# Altium PCB Smart-Telecontrol.PcbDoc
Units mil, origin at the board's own origin, x right, y up, seen from the top; angles counter-clockwise.
Board outline 3752.7 x 2810.03 mil, 2 copper layers (Top Layer, Bottom Layer); 92 components, 50 nets, 289 pads, 750 vias.
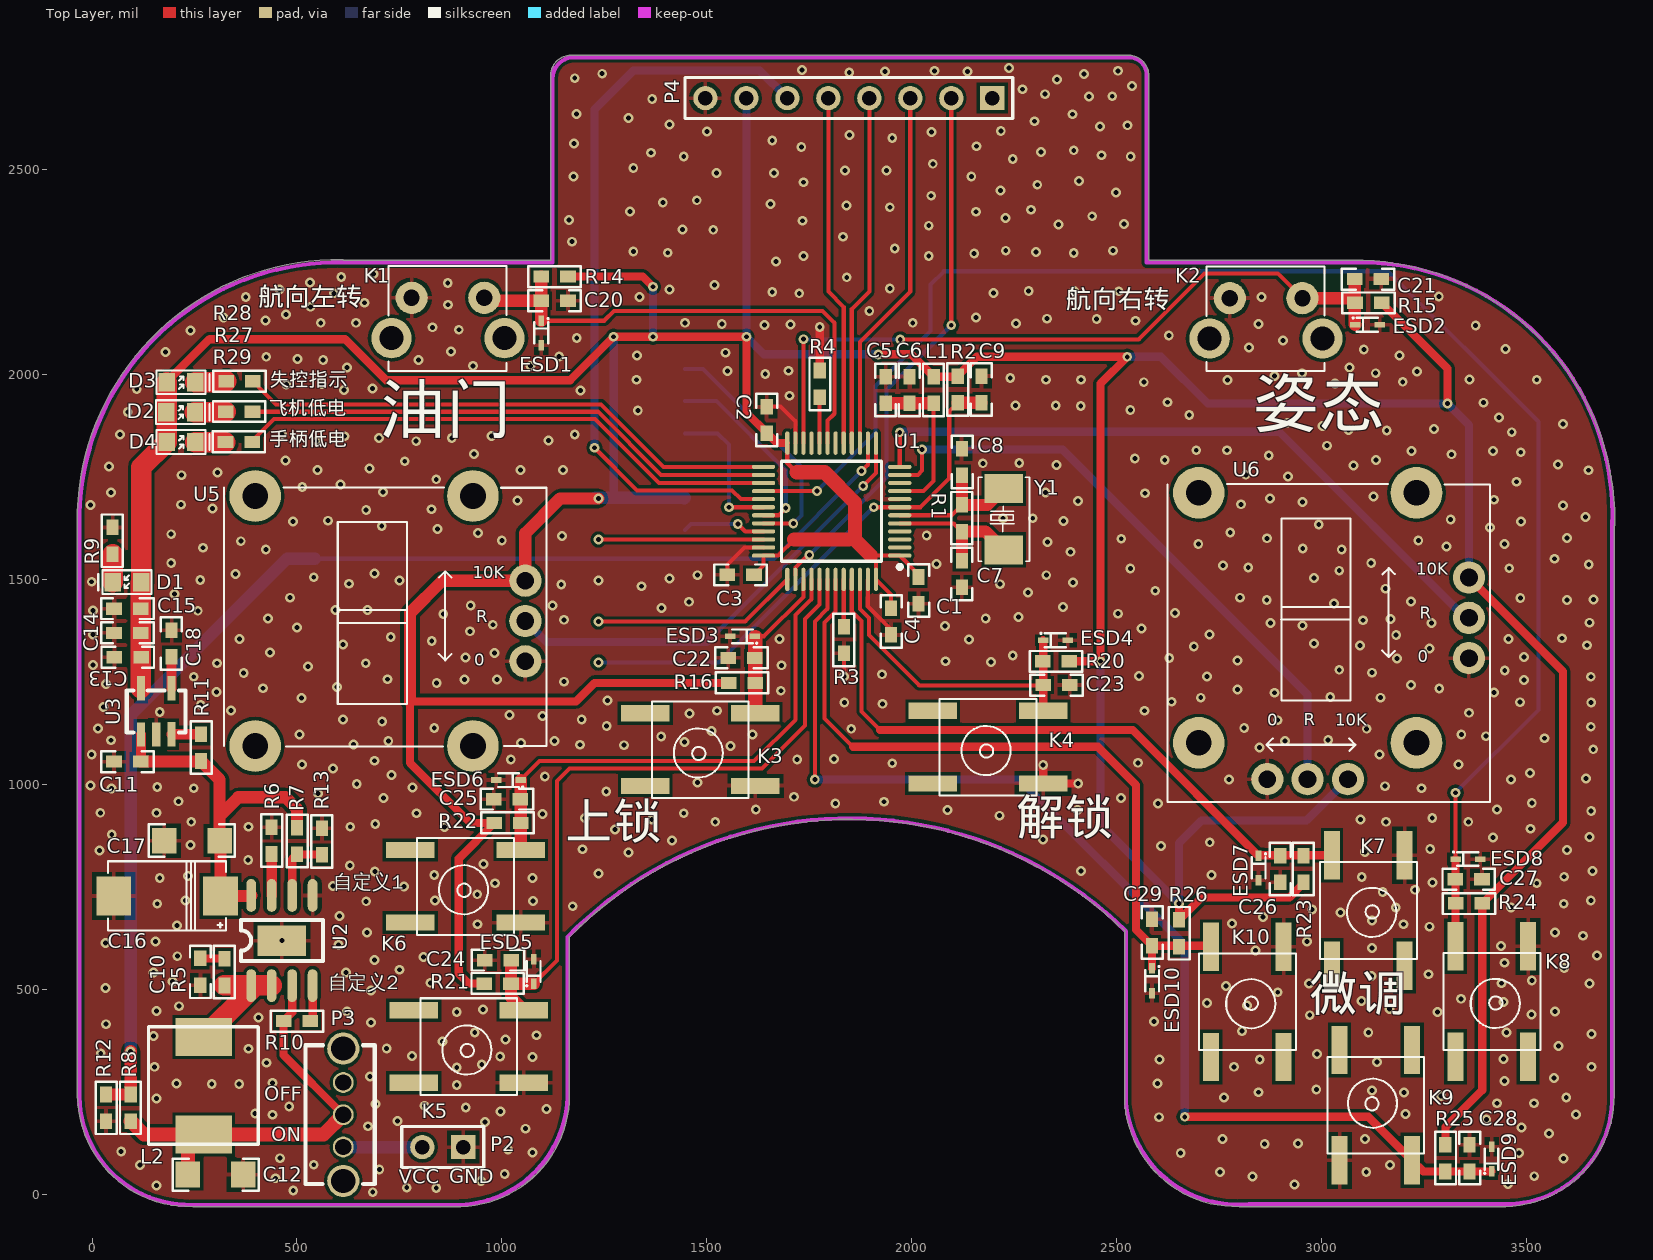
[diagram p0: Top Layer view]
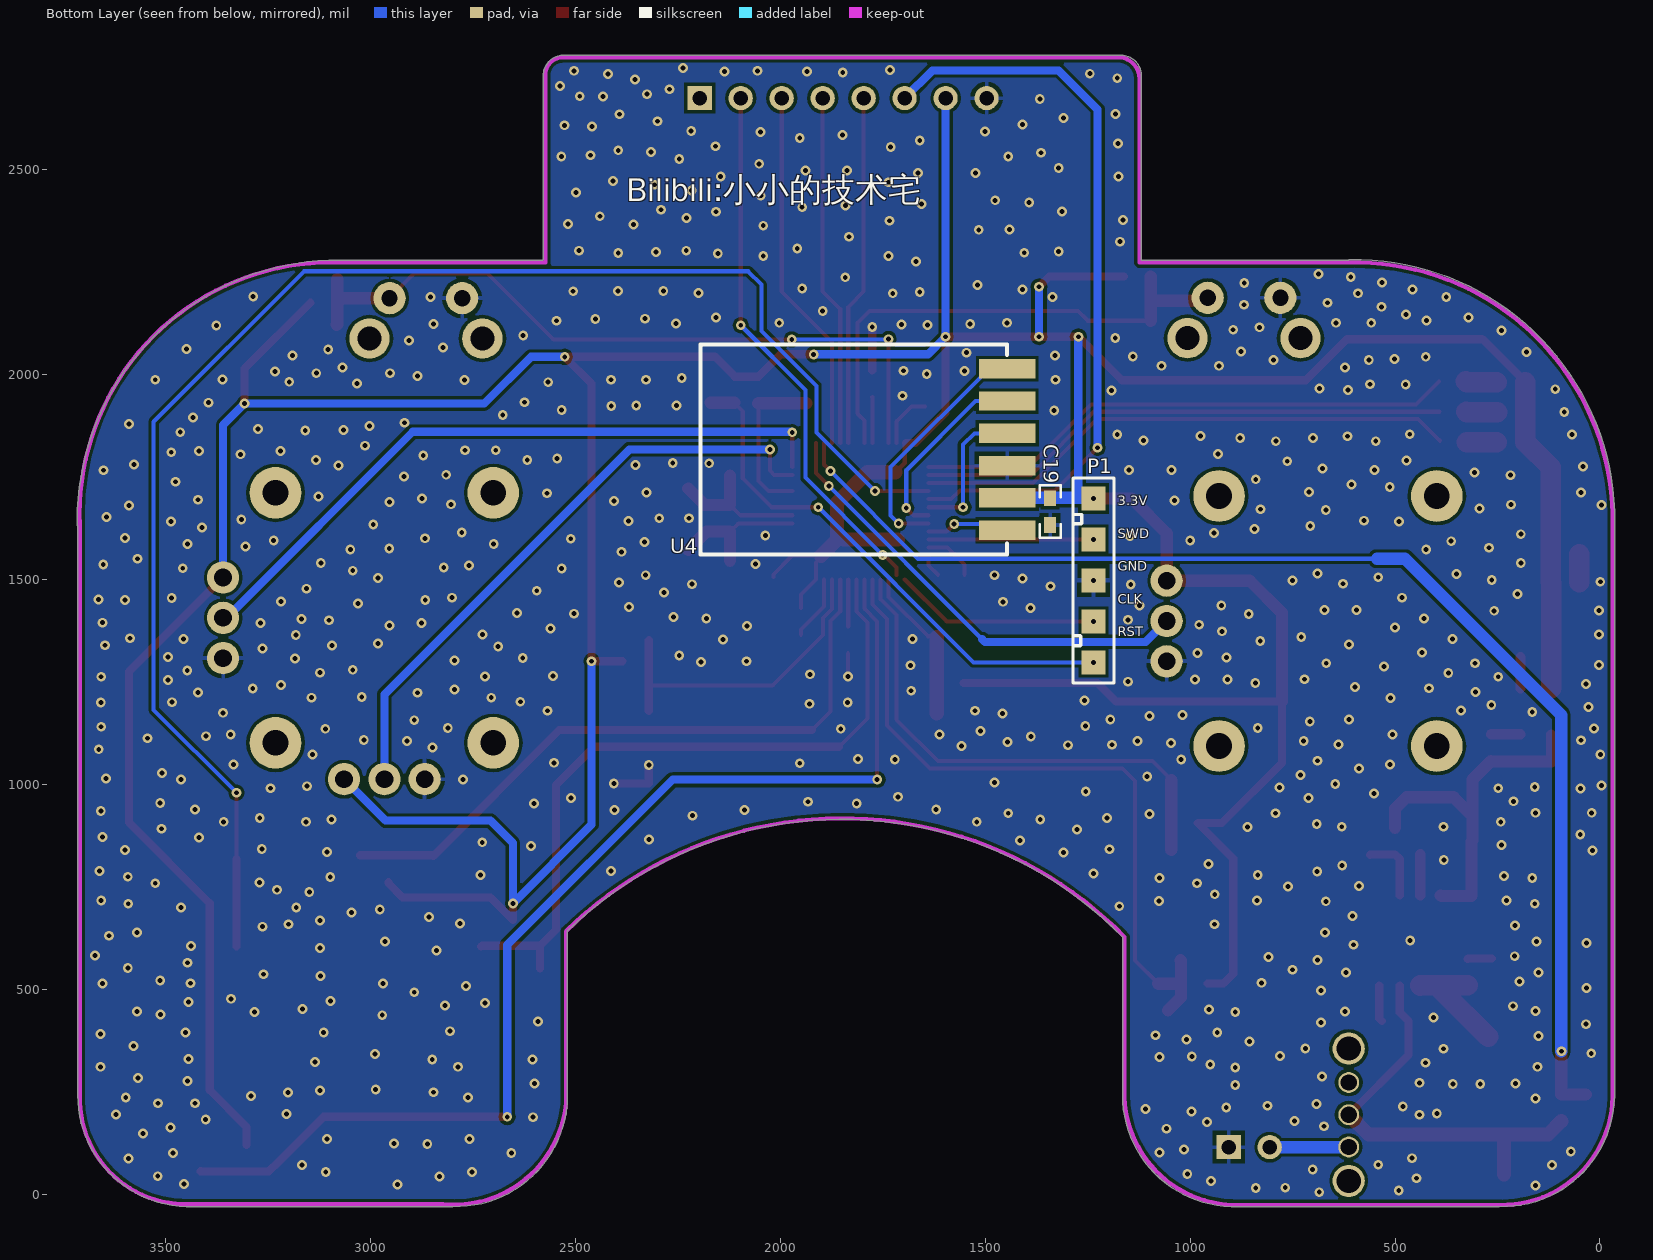
[diagram p1: Bottom Layer view, seen from below]

## Layer stack, top to bottom
Top Solder: solder mask 0.4, Solder Resist, Dk 3.5
Top Layer: signal copper 1.4
Dielectric 1: dielectric 12.6, FR-4, Dk 4.8
Bottom Layer: signal copper 1.4
Bottom Solder: solder mask 0.4, Solder Resist, Dk 3.5

## Board outline
245.07,-30.01 cw(c237.5,242.5) -34.95,232.87 cw(c-31.24,236.24) -36.26,236.24 -36.26,1639.97 cw(c600.08,1645.08) 610.1,2281.36 cw(c610.02,2276.34) 613.26,2280.17 1118.98,2280.17 1118.98,2733 cw(c1124,2733) 1119,2733.33 cw(c1169,2730) 1172.16,2780.02 2534,2780.02 cw(c2534,2775) 2535.91,2779.64 cw(c2529,2730) 2579.11,2730 cw(c2529,2730) 2579.02,2726.84 2579.02,2280.17 3100,2280.17 cw(c3100,2275.16) 3102.23,2279.65 cw(c3080.09,1643.68) 3716.45,1643.68 cw(c3080.09,1643.68) 3716.37,1633.66 cw(c3711.35,1633.74) 3715.01,1630.31 3715.01,250.07 cw(c3442.5,242.5) 3715.12,242.5 cw(c3442.5,242.5) 3450.14,-30.01 cw(c3450,-25) 3449.97,-30.01 2800.07,-30.01 cw(c2792.5,242.5) 2519.99,234.86 cw(c2525,235) 2519.98,235 2519.98,642.89 ccw(c1850,-45) 1165.01,627.95 1165.01,250.07 cw(c892.5,242.5) 1165.12,242.5 cw(c892.5,242.5) 900.14,-30.01 cw(c900,-25) 899.97,-30.01

## Design rules (kind name [scope] priority, off if disabled: settings)
Clearance PVCC [InNet('PVCC') vs InNet('GND-WAVE')] p1: gap=20
Clearance [All] p2: gap=8
MinimumSolderMaskSliver [All] p1: minsoldermaskwidth=0
PlaneClearance [All] p1: clearance=10
PolygonConnect Via [IsVia] p1: connectstyle=Direct reliefconductorwidth=10 reliefentries=4 polygonreliefangle="90 Angle" airgapwidth=10
PolygonConnect [All] p2: connectstyle=Relief reliefconductorwidth=10 reliefentries=4 polygonreliefangle="90 Angle" airgapwidth=10
RoutingVias [All] p1: holewidth=12 width=24 viastyle="Through Hole" minholewidth=12 minwidth=24 maxholewidth=12 maxwidth=24
ShortCircuit [All] p1: allowed=TRUE
SilkToSilkClearance [All] p1: silktosilkclearance=0
SilkToSolderMaskClearance [IsPad] p1: minsilkscreentomaskgap=0 clearancetoexposedcopper=TRUE
SolderMaskExpansion [All] p1: expansion=4
Width [All] p1: maxlimit=100 minlimit=9 preferedwidth=10
25 further rules are at their usual default settings.

## Classes and differential pairs
component class Module: C10 C11 C12 C13 C14 C15 C16 C17 C18 C19 C20 C21 C22 C23 C24 C25 C26 C27 C28 C29 D1 D2 D3 D4 ESD1 ESD2 ESD3 ESD4 ESD5 ESD6 ESD7 ESD8 ESD9 ESD10 K1 K2 K3 K4 K5 K6 K7 K8 K9 K10 L2 P2 P3 P4 R5 R6 R7 R8 R9 R10 R11 R12 R13 R14 R15 R16 R20 R21 R22 R23 R24 R25 R26 R27 R28 R29 U2 U3 U4 U5 U6
component class MCU: C1 C2 C3 C4 C5 C6 C7 C8 C9 L1 P1 R1 R2 R3 R4 U1 Y1

## Components (designator, comment, footprint, x,y, rotation, side; value= is the part's Value field where it differs from the comment)
C1 "0.1μF" 0603C 2017,1474 r90 top
C2 "0.1μF" 0603C 1647,1890 r270 top
C3 "0.1μF" 0603C 1583,1512 r0 top
C4 "0.1μF" 0603C 1950,1398 r90 top
C5 "10μF" 0603C 1937,1963 r270 top
C6 "0.1μF" 0603C 1995,1963 r270 top
C7 "20pF" 0603C 2123,1514 r270 top
C8 "20pF" 0603C 2123,1787 r90 top
C9 "0.1μF" 0603C 2171,1964 r270 top
C10 "2.2nF" 0603C 264,543 r90 top
C11 "1μF" 0603C 86,1056 r0 top
C12 "22μF" 1206C 368.65,48 r180 top
C13 "1μF" 0603C 87,1311 r0 top
C14 "10μF" 0603C 86,1370 r180 top
C15 "0.1μF" 0603C 86,1429 r180 top
C16 "100μF" D7343C 313.24,728 r180 top
C17 "22μF" 1206C 176.35,863 r0 top
C18 "0.1μF" 0603C 194,1344 r270 top
C19 "10μF" 0603C 1342,1666 r90 bottom
C20 "10nF" 0603C 1129,2181 r0 top
C21 "10nF" 0603C 3114,2234 r0 top
C22 "10nF" 0603C 1585,1309 r180 top
C23 "10nF" 0603C 2354,1243 r0 top
C24 "10nF" 0603C 991,571 r180 top
C25 "10nF" 0603C 1013,964 r180 top
C26 "10nF" 0603C 2900,794 r270 top
C27 "10nF" 0603C 3360,769 r0 top
C28 "10nF" 0603C 3362,88 r90 top
C29 "10nF" 0603C 2587,639 r90 top
D1 "蓝色LED" 0603LED 120,1494 r180 top
D2 "红色LED" 0603LED 181,1909 r0 top
D3 "橘黄色LED" 0603LED 182,1982 r0 top
D4 "红色LED" 0603LED 182,1836 r0 top
ESD1 "ESD5Z5.0T1G" SOD523 1096,2072 r90 top
ESD2 "ESD5Z5.0T1G" SOD523 3143,2122 r180 top
ESD3 "ESD5Z5.0T1G" SOD523 1557,1362 r0 top
ESD4 "ESD5Z5.0T1G" SOD523 2381.06,1352 r180 top
ESD5 "ESD5Z5.0T1G" SOD523 1078,574 r270 top
ESD6 "ESD5Z5.0T1G" SOD523 985.94,1011 r0 top
ESD7 "ESD5Z5.0T1G" SOD523 2847,765.94 r90 top
ESD8 "ESD5Z5.0T1G" SOD523 3388.06,818 r180 top
ESD9 "ESD5Z5.0T1G" SOD523 3416,116.06 r270 top
ESD10 "ESD5Z5.0T1G" SOD523 2587,490.94 r90 top
K1 "侧按键-直插" 侧按键-直插 957.17,2188 r180 top locked
K2 "侧按键-直插" 侧按键-直插 2954,2187 r180 top locked
K3 "轻触按键贴片 6*6*5" "轻触按键贴片 6*6*5" 1349.66,1005.31 r180 top
K4 "轻触按键贴片 6*6*5" "轻触按键贴片 6*6*5" 2052,1011.31 r180 top
K5 "轻触按键贴片 6*6*5" "轻触按键贴片 6*6*5" 784.66,280.47 r180 top
K6 "轻触按键贴片 6*6*5" "轻触按键贴片 6*6*5" 776.66,671.47 r180 top
K7 "轻触按键贴片 6*6*5" "轻触按键贴片 6*6*5" 3195,558 r270 top
K8 "轻触按键贴片 6*6*5" "轻触按键贴片 6*6*5" 3496.53,335.66 r270 top
K9 "轻触按键贴片 6*6*5" "轻触按键贴片 6*6*5" 3053.31,352 r90 top
K10 "轻触按键贴片 6*6*5" "轻触按键贴片 6*6*5" 2899.69,335 r270 top
L1 "BEAD-220/100MHZ" 0603R 2054,1963 r270 top
L2 "4.7μH_5.5A_7*7*3" "7*7*3mm - 06030" 273,145.81 r90 top
P1 "下载口贴片" "HDR1X5 - danceng" 1236,1298 r90 bottom
P2 "Header 2" HDR1X2 906,115 r180 top
P3 "拨动开关直插-3P" 拨动开关-3P 613,115.26 r90 top
P4 "Header 8" HDR1X8 2197,2675.43 r180 top locked
R1 "1M ohm" 0603R 2123,1650 r270 top
R2 "10K ohm" 0603R 2113,1964 r270 top
R3 "10K ohm" 0603R 1835,1353 r270 top
R4 "10K ohm" 0603R 1776,1978 r90 top
R5 "24K ohm" 0603R 323,542 r270 top
R6 "30K ohm" 0603R 438,863 r90 top
R7 "100Kohm" 0603R 500,862 r90 top
R8 "68K ohm" 0603R 94,211 r270 top
R9 "10K ohm" 0603R 50,1595 r270 top
R10 "10K ohm" 0603R 500,423 r0 top
R11 "10K ohm" 0603R 266,1090 r90 top
R12 "120K ohm" 0603R 34,211 r90 top
R13 "13K ohm" 0603R 561,861 r270 top
R14 "10K ohm" 0603R 1129,2240 r0 top
R15 "10K ohm" 0603R 3115,2176 r0 top
R16 "10K ohm" 0603R 1586,1248 r180 top
R20 "10K ohm" 0603R 2353,1301 r0 top
R21 "10K ohm" 0603R 990,514 r180 top
R22 "10K ohm" 0603R 1014,906 r180 top
R23 "10K ohm" 0603R 2957,794 r270 top
R24 "10K ohm" 0603R 3360.5,710 r0 top
R25 "10K ohm" 0603R 3303,88 r90 top
R26 "10K ohm" 0603R 2653,637 r90 top
R27 "10K ohm" 0603R 359,1910 r180 top
R28 "10K ohm" 0603R 360,1984 r180 top
R29 "10K ohm" 0603R 358,1836 r180 top
U1 "STM32F103C8T6" LQFP48 1805,1667 r180 top locked
U2 "FP6277" "SO8 - FP6277" 388.3,509.2 r90 top
U3 "LP3985" SOT-23-5 119.2,1122.01 r0 top
U4 "2.4G_转串口" 2.4G-串口 1447,1621 r90 bottom locked
U5 "10K_油门不回中" 10K_油门不回中 398,1094 r0 top locked
U6 "10K_360回中" 10K_360回中 3360.45,1406.88 r0 top locked
Y1 "XTAL_8MHz_5032" 5032 2225,1722.61 r270 top

## Footprints (in the part's own frame and the unit in brackets; to place one, negate y for a bottom-side part, rotate by r counter-clockwise, add the part's x,y. Pads: shape width x height; smd on the part's side, far side on the other; paste and mask are expansions set on the pad)
2.4G-串口 [mm]
  rect 1.2x3.5 smd: 1(0,0) 2(2,0) 3(4,0) 4(6,0) 5(8,0) 6(10,0)
  silkscreen extent -1.5,0 11.5,19, body extent -1.5,0 11.5,19, height 1.5
"7*7*3mm - 06030" [mm]
  rect 2.35x3.5 smd: 1(0,0) 2(6.05,0)
  silkscreen extent -0.61,-3.37 6.68,3.44, body extent -0.64,-3.37 6.68,3.44, height 3
10K_360回中 [mm]
  round 3.2 hole 1.6: 0(-16.75,-7.75) 0(-16.75,7.75) 0(-3.25,-7.75) 0(-3.25,7.75)
  round 2 hole 1.1: 1(0,-2.5) 2(0,0) 3(0,2.5) 4(-12.5,-10) 5(-10,-10) 6(-7.5,-10)
  silkscreen extent -18.69,-11.4 1.31,8.29, body extent -18.69,-11.43 1.31,8.26, height 20
10K_油门不回中 [mm]
  round 3.2 hole 1.6: 0(0,0) 0(0,15.5) 0(13.5,0) 0(13.5,15.5)
  round 2 hole 1.1: 1(16.75,5.25) 2(16.75,7.75) 3(16.75,10.25)
  silkscreen extent -1.94,-0.04 18.06,16.04, body extent -1.94,0.01 18.06,16.01, height 20
0603C [mil]
  rect 38x30 smd: 1(-32.5,0) 2(32.5,0)
  silkscreen extent -64,-26 64,25, body extent -35,-20 35,20, height 31
0603LED [mil]
  rect 40x45 smd: 1(0,0) 2(70,0)
  silkscreen extent -25,-29 105,29, body extent -28,-31 98,31, height 39
0603R [mil]
  rect 38x30 smd: 1(-32.5,0) 2(32.5,0)
  silkscreen extent -64,-26 64,25, body extent -35,-20 35,20, height 16
1206C [mm]
  rect 1.52x1.6 smd: 1(0,0) 2(3.42,0)
  silkscreen extent -0.97,-0.99 4.37,1.02, body extent -0.13,-0.89 3.68,0.89, height 2
5032 [mm]
  rect 1.8x2.4 smd: 1(0,0) 2(3.8,0)
  silkscreen extent -0.69,-1.57 4.51,1.6, body extent -0.69,-1.58 4.51,1.61, height 1.25
D7343C [mm]
  rect 2.16x2.41 smd: 1(0,0) 2(6.61,0)
  silkscreen extent -0.33,-2.15 6.97,2.15, body extent -0.35,-2.21 6.97,2.19, height 2.9
HDR1X2 [mm] "Connector; Header; 2 Position"
  rect 1.5x1.5 hole 0.9: 1(0,0)
  round 1.5 hole 0.9: 2(2.54,0)
  silkscreen extent -1.27,-1.27 3.81,1.27
"HDR1X5 - danceng" [mm] "Connector; Header; 5 Position"
  rect 1.5x1.5 smd: 1(0,0) 2(2.54,0) 3(5.08,0) 4(7.62,0) 5(10.16,0)
  silkscreen extent -1.27,-1.27 11.43,1.27
HDR1X8 [mm] "Connector; Header; 8 Position"
  rect 1.5x1.5 hole 0.9: 1(0,0)
  round 1.5 hole 0.9: 2(2.54,0) 3(5.08,0) 4(7.62,0) 5(10.16,0) 6(12.7,0) 7(15.24,0) 8(17.78,0)
  silkscreen extent -1.27,-1.27 19.05,1.27
LQFP48 [mm]
  oval 1.45x0.254 smd: 1(-4.225,2.75) 2(-4.225,2.25) 3(-4.225,1.75) 4(-4.225,1.25) 5(-4.225,0.75) 6(-4.225,0.25) 7(-4.225,-0.25) 8(-4.225,-0.75) 9(-4.225,-1.25) 10(-4.225,-1.75) 11(-4.225,-2.25) 12(-4.225,-2.75) 25(4.225,-2.75) 26(4.225,-2.25) 27(4.225,-1.75) 28(4.225,-1.25) 29(4.225,-0.75) 30(4.225,-0.25) 31(4.225,0.25) 32(4.225,0.75) 33(4.225,1.25) 34(4.225,1.75) 35(4.225,2.25) 36(4.225,2.75)
  oval 0.254x1.45 smd: 13(-2.75,-4.225) 14(-2.25,-4.225) 15(-1.75,-4.225) 16(-1.25,-4.225) 17(-0.75,-4.225) 18(-0.25,-4.225) 19(0.25,-4.225) 20(0.75,-4.225) 21(1.25,-4.225) 22(1.75,-4.225) 23(2.25,-4.225) 24(2.75,-4.225) 37(2.75,4.225) 38(2.25,4.225) 39(1.75,4.225) 40(1.25,4.225) 41(0.75,4.225) 42(0.25,4.225) 43(-0.25,4.225) 44(-0.75,4.225) 45(-1.25,4.225) 46(-1.75,4.225) 47(-2.25,4.225) 48(-2.75,4.225)
  silkscreen extent -4.35,-3.1 3.1,3.57, body extent -3.5,-3.5 3.5,3.5, height 1.2
"SO8 - FP6277" [mil]
  oval 80x24 smd: 1(0,0) 2(0,-50) 3(0,-100) 4(0,-150) 5(220,-150) 6(220,-100) 7(220,-50) 8(220,0)
  rect 74.8x118.11 smd: 9(109.8,-74.7)
  silkscreen extent 60,-175 160,25, body extent 45,-175 175,25, height 47
SOD523 [mm]
  rect 0.65x0.35 smd: 1(0,0) 2(1.525,0)
  silkscreen extent 0.12,-0.48 1.7,0.42, body extent 0.06,-0.38 1.46,0.38, height 0.9
SOT-23-5 [mm]
  rect 0.5x1.5 smd: 1(0,0) 2(0.95,0) 3(1.9,0.02) 4(1.9,2.87) 5(0,2.87)
  silkscreen extent -0.88,0.12 2.77,2.72, body extent -0.7,0.2 2.6,2.6, height 1
侧按键-直插 [mm]
  round 2.5 hole 1.5: 0(-1.25,2.5) 0(5.75,2.5)
  round 2 hole 1: 1(0,0) 2(4.5,0)
  silkscreen extent -1.38,-1.98 5.94,4.52, body extent -1.38,-1.97 5.92,4.53, height 7
拨动开关-3P [mm]
  round 2 hole 1.5: 0(-2.1,0) 0(6.1,0)
  round 1.3 hole 1: 1(0,0) 2(2,0) 3(4,0)
  silkscreen extent -2.29,-1.95 6.31,2.35, body extent -2.29,-1.95 6.31,2.35, height 6.7
"轻触按键贴片 6*6*5" [mm]
  rect 3x1 smd mask+0.05: 1(-6.841,0.215) 2(0,0.215) 3(-6.841,-4.285) 4(0,-4.285)
  silkscreen extent -6.42,-5.03 -0.42,0.97, body extent -7.36,-5.03 -0.42,1.33, height 5

## Part data
C1 C2 C3 C4 C6 C9 C15 C18: library part Cap_0.1μF_50V_0603, "0.1μF_50V,X7R,±5%"
C5 C14 C19: library part Cap_10μF_35V_0603, "10μF_35V,X5R,20%"
C7 C8: library part Cap_20pF_50V_0603, "20pF_50V,CH,±5%"
C10: library part Cap_2.2nF_50V_0603, "2.2nF_50V,X7R,10%"
C11 C13: library part Cap_1μF_50V_0603, "1μF_50V,X5R,±10%"
C12 C17: library part Cap_22μF_35V_1206, "22μF_35V,20%"
C16: library part Cap_100μF_16V_D7343, "100μF_16V"
C20 C21 C22 C23 C24 C25 C26 C27 C28 C29: library part Cap_10nF_50V_0603, "10nF_50V,SL_0603,±5%"
D2 D3 D4: library part 蓝色LED, "蓝色LED"
ESD1 ESD2 ESD3 ESD4 ESD5 ESD6 ESD7 ESD8 ESD9 ESD10: library part ESD5Z5.0T1G_SOD523
L1: library part BEAD-220/100MHZ_0603
L2: "4.7μH_5.5A_"
P1: library part DAP下载口贴片, "DAP下载口贴片"
P2: "Header, 2-Pin"
P4: "Header, 8-Pin"
R1: library part "Res_1M ohm_0603", "1M ohm,1%"
R2 R3 R4 R9 R10 R11 R14 R15 R16 R20 R21 R22 R23 R24 R25 R26 R27 R28 R29: library part "Res_10K ohm_0603", "10K ohm,1%"
R5: library part "Res_24K ohm_0603", "24K ohm,1%"
R6: library part "Res_30K ohm_0603", "30K ohm,1%"
R7: library part Res_100Kohm_0603, "100K ohm_5%"
R8: library part "Res_68K ohm_0603", "68K ohm,1%"
R12: library part "Res_120K ohm_0603", "120K ohm,1%"
R13: library part "Res_13K ohm_0603", "13K ohm,1%"
Y1: "XTAL_8MHz"

## Via types
v1: diameter 24, hole 12, Top Layer to Bottom Layer, tented both sides, 750 vias

## Nets (pads, with @x,y where several pads share a name; then routed paths per layer and width w, separated by ;. In a path a pad name is that pad's centre, name@x,y a point inside that pad or via, vN(x,y) a via of type N, cw(c..) or ccw(c..) an arc to the next point about the centre after c; other vN are vias at no path point)
3.3V: C1.2 C2.2 C3.2 C4.2 C13.2 C14.1 C15.1 C19.2 D1.1 D2.1 D3.1 D4.1 L1.1 P1.5 P4.7 R2.1 R14.2 R15.2 R16.2 R20.2 R21.2 R22.2 R23.2 R24.2 R25.2 R26.2 U1.1 U1.24 U1.36 U1.48 U3.5 U4.2 U5.3 U6.3 U6.6 | length 14399.2
  Top Layer w10: C3.2 1638.66,1535.16 U1.36 1674.65,1558.73 1714,1598.08 ; U1.24 1696.73,1785.27 1720,1762 ; 1892.5,1566.5 1892.5,1563 1913.27,1542.23 U1.48 1950,1463.93 C4.2 ; 1901,1558.73 U1.1 2017,1513.07 C1.2
  Top Layer w20: D3.1 287,2087 617,2087 717,1987 1167,1987 v1(1273,2093) v1(1369,2093) v1(1597,2093) 1597,1907.5 C2.2 1671.16,1833.34 U1.24@1693.42,1833.34 ; R21.2 919,514 895,538 895,819.5 R22.2 923,906 776,1053 776,1203 1181,1203 1226,1248 R16.2 ; R14.2 1344,2240 v1(1369,2215) ; v1(1919,2050) 1999.96,2050 2054,1995.96 L1.1 2112,1995.5 R2.1 2113,1997.96 2159.04,2044 v1(2526.5,2044) 2461,1978.5 v1(2461,1301) R20.2 ; v1(2653,710) R26.2 2708,724.5 2922.46,724.5 2957,759.04 R23.2 ; R15.2 3308,2015.5 v1(3308,1930) ; R25.2 3303,164 3393,254 R24.2 3590,907 3590,1275.76 U6.3
  Top Layer w30: 776,1203 776,1419 854.54,1497.54 U5.3 1057.45,1613.45 1142,1698 v1(1236,1698)
  Top Layer w35: 1714,1598.08 1846.92,1598.08 ; 1720,1762 1788,1762 1862,1688 1862,1597.73 1901,1558.73
  Top Layer w50: U3.5 119.2,1370 119.2,1428.3 C15.1 118.5,1492.5 D1.1 120,1774 D4.1 D3.1
  Bottom Layer w20: 1271,1699.74 1273,1701.74 v1(1273,2093) ; v1(1369,2093) v1(1369,2215) ; P4.7 v1(1597,2093) 1640,2050 v1(1919,2050) ; v1(2461,1301) 2461,902 v1(2653,710) 2653,857 2708,912 2963.99,912 U6.6 ; v1(2526.5,2044) 2609,2044 2723,1930 v1(3308,1930) 3360.45,1877.55 U6.3
  Bottom Layer w30: P1.5@1228,1699 1228.74,1699.74 1271,1699.74 U4.2 U4.2@1445.26,1698
5V: C11.2 C16.1 C17.2 R7.2 R11.1 U2.8 U3.1 | length 905.2
  Top Layer w25: C11.2 119.2,1056.7 U3.1
  Top Layer w30: C11.2 264.5,1056 R11.1 311,1012.5 311,923 ; U2.8 387.1,728 C16.1 313.24,860.76 C17.2 311,923 ; R7.2 500,941 472,969 357,969 311,923
BAT-ADC: R8.1 R12.2 U1.14 | length 3091.2
  Top Layer w10: v1(1878,1765) 1893.58,1780.58 U1.14
  Top Layer w30: R12.2 R8.1 v1(94,349)
  Bottom Layer w10: 544,1551 1664,1551 v1(1878,1765)
  Bottom Layer w30: v1(94,349) 94,1169 476,1551 544,1551
BAT_IN: P2.2 P3.1 | length 193.1
  Bottom Layer w30: P3.1 613.26,115 P2.2
BOOT0: R3.1 U1.44 | length 115.4
  Top Layer w10: U1.44 1834.53,1385.97 R3.1
BOOT1: R4.1 U1.20 | length 112.4
  Top Layer w10: U1.20 1775.47,1944.97 R4.1
CE: U1.32 U4.6 | length 601.7
  Top Layer w10: U1.32 v1(1711.47,1637.47)
  Bottom Layer w10: U4.6 1491.3,2014.7 1731,1775 1731,1657 v1(1711.47,1637.47)
CLK: P4.6 U1.29 | length 1829
  Top Layer w10: v1(1226,1822) 1330.1,1717.9 1562.1,1717.9 1583.47,1696.53 U1.29
  Bottom Layer w20: v1(1226,1822) 1226,2648 1321,2743 1629.43,2743 P4.6
CS1: P4.3 U1.15 | length 893.1
  Top Layer w10: U1.15 1873.9,2079.9 1997,2203 P4.3
DC: P4.4 U1.16 | length 859.8
  Top Layer w10: U1.16 1854.21,2160.21 1897,2203 P4.4
FS0: P4.2 U1.38 | length 1324.2
  Top Layer w10: U1.38@1716.42,1511 1716.42,1529.98 1747.02,1560.58 v1(1750.58,1560.58) ; v1(2097,2121) P4.2
  Bottom Layer w10: v1(1750.58,1560.58) 1939,1749 1939,1963 v1(2097,2121)
GND: C1.1 C2.1 C3.1 C4.1 C5.1 C6.1 C7.2 C8.2 C9.1 C10.1 C11.1 C12.1 C13.1 C14.2 C15.2 C16.2 C17.1 C18.1 C19.1 C20.2 C21.2 C22.2 C23.2 C24.2 C25.2 C26.2 C27.2 C28.2 C29.2 ESD1.1 ESD2.1 ESD3.1 ESD4.1 ESD5.1 ESD6.1 ESD7.1 ESD8.1 ESD9.1 ESD10.1 K1.2 K2.2 K3.1 K4.1 K5.1 K6.1 K7.1 K8.1 K9.1 K10.1 P1.3 P2.1 P4.8 R3.2 R4.2 R6.2 R9.1 R12.1 R13.1 U1.8 U1.23 U1.35 U1.47 U2.5 U2.9 U3.2 U4.3 U5.1 U6.1 U6.4 | length 723.7
  Top Layer w10: C3.1 1550.5,1536.5 1592.42,1578.42 U1.35 ; C2.1 1680.5,1922.5 1716.42,1886.58 U1.23 ; v1(1835,1264) R3.2 ; U1.47 1893.58,1434.33 1950,1377.91 C4.1
  Top Layer w20: U5.1 U5.1@1059.26,1302.5 ; R4.2 v1(1776,2117) ; v1(2321.34,1047.66) K4.1 v1(2406.83,1002.83)
  Top Layer w30: U6.4 U6.4@2869.5,1012 ; U6.1 U6.1@3360.49,1308.5
  other v1: 685,5 491,9 840,15 768,16 157,21 2935,24 3456,25 949,32 448,39 2832,43 3520,44 1007,49 2753,54 3110,54 701,60 117,71 3168,71 541,72 3591,87 459,88 2657,101 3483,101 1075,102 71,104 1015,109 2862,123 2943,124 2759,135 3107,135 3556,148 1058,160 3489,163 673,166 959,176 745,179 3403,182 2604,188 440,194 3622,195 3206,196 398,197 997,202 1109,208 912,212 481,214 811,216 692,220 3429,222 3519,222 157,234 2763,236 3598,236 3292,240 3202,248 2847,249 3124,253 2988,256 890,267 292,269 359,269 206,270 2600,270 440,272 3447,276 3568,284 678,287 890,309 152,311 2787,311 3660,311 951,317 426,321 3136,323 2605,329 2850,329 3445,330 1075,335 996,336 781,337 2990,342 21,344 382,355 719,356 3579,362 855,373 1009,378 150,386 1085,388 3660,391 934,395 3115,395 3452,395 2807,398 34,415 681,419 2592,422 406,431 2972,437 3513,439 890,445 3284,445 622,446 3571,446 157,447 954,451 3167,452 212,459 2819,461 2721,467 3445,469 3098,472 3341,477 2894,493 681,497 33,503 2768,508 2970,514 3655,514 3440,515 826,516 196,519 3514,522 3123,533 3262,537 150,541 620,541 750,548 3593,552 3447,565 689,572 809,579 208,581 3673,583 2840,595 3124,601 3439,606 601,609 33,613 155,617 2965,617 463,619 3639,631 671,639 3571,639 3264,653 207,656 941,659 3201,659 2782,661 3124,668 2858,677 604,679 3047,688 2978,695 3182,700 3463,700 1173,703 159,709 3592,709 669,715 1076,716 228,717 837,717 3658,717 940,732 3150,738 3229,743 761,751 588,752 983,759 3526,759 3272,761 165,772 1075,772 3099,774 3593,775 234,777 835,779 2732,779 1236,783 690,788 2414,789 3662,789 629,802 955,806 381,816 1309,834 3107,835 18,839 3600,840 1197,842 3266,843 2609,850 240,852 2728,859 1415,863 2321,866 3419,871 3655,872 48,878 1276,890 3511,892 860,896 382,897 630,897 691,904 242,909 1521,909 3158,909 3359,909 1366,915 3096,915 1203,918 3271,918 2215,924 1099,928 792,930 1444,930 20,931 157,931 3659,935 2088,938 2405,938 1620,939 3429,939 1814,954 2602,954 3514,955 1933,958 211,959 711,967 2511,967 1713,970 551,978 1255,983 47,990 248,991 3245,991 782,993 159,994 3156,996 -4,998 646,1001 1478,1005 2775,1012 3463,1012 3646,1015 1105,1020 731,1023 3510,1028 588,1039 512,1049 3335,1049 1953,1052 2553,1053 689,1058 1022,1061 1721,1061 1811,1062 -1,1073 3142,1073 3664,1086 2849,1090 1558,1094 1298,1096 1191,1097 638,1098 1047,1101 1446,1104 723,1106 1129,1106 2912,1106 46,1108 3017,1109 3545,1113 1389,1117 3402,1118 506,1122 1612,1122 3342,1122 1512,1131 1853,1136 3111,1136 14,1137 835,1138 2812,1138 3658,1141 1256,1143 708,1154 2894,1157 612,1159 1195,1159 1099,1167 1019,1170 1458,1173 3361,1175 165,1177 1525,1180 2569,1180 339,1181 28,1189 265,1194 1929,1197 1836,1200 3659,1200 3485,1201 2635,1202 1258,1205 511,1211 2706,1212 3145,1212 3022,1214 2886,1224 3422,1225 304,1226 1681,1229 2796,1232 3288,1234 417,1235 598,1238 3219,1243 34,1245 841,1248 1152,1251 3495,1255 909,1256 988,1256 721,1257 248,1263 3658,1263 2721,1264 2555,1265 1928,1269 370,1272 3124,1273 3448,1278 3044,1280 527,1288 1683,1291 2,1292 305,1296 668,1296 2194,1299 2083,1301 2796,1303 3185,1308 2629,1309 911,1310 3495,1311 2247,1315 982,1321 434,1322 3264,1332 2689,1337 3095,1339 3649,1340 612,1342 2982,1344 829,1350 2140,1354 360,1355 1678,1355 3457,1355 3588,1357 729,1360 3183,1365 2,1366 2727,1366 922,1374 2561,1381 500,1383 2082,1387 2954,1388 978,1390 2876,1394 3269,1394 3655,1395 3102,1401 1152,1402 3169,1404 429,1405 2181,1405 2261,1409 857,1416 2504,1417 2643,1419 258,1424 2,1425 594,1426 672,1426 1390,1431 2370,1433 924,1437 1124,1437 3031,1442 1457,1446 3219,1447 2867,1450 3600,1450 3665,1452 3486,1455 483,1456 2802,1456 201,1465 2284,1469 2595,1473 3157,1478 1341,1484 1145,1488 2216,1489 627,1490 2394,1493 -1,1495 750,1498 1236,1498 264,1499 1409,1503 2982,1504 541,1506 1478,1511 2329,1511 350,1514 689,1515 3044,1522 2534,1527 3459,1528 2822,1530 2760,1535 3653,1537 2061,1538 193,1541 3122,1541 3569,1551 2388,1568 424,1574 3050,1574 2955,1576 271,1578 3306,1581 2700,1587 3447,1587 2332,1592 363,1594 1000,1596 3237,1596 2512,1600 2868,1601 3600,1602 1147,1607 2037,1608 193,1611 942,1614 2778,1615 843,1624 3412,1627 707,1631 2994,1635 490,1642 3488,1642 2371,1643 576,1644 3316,1647 2223,1650 2296,1650 3645,1653 669,1670 828,1672 294,1674 3590,1681 -4,1682 217,1683 2804,1684 2954,1690 2406,1692 1038,1693 3422,1695 2875,1698 3128,1703 2570,1711 46,1713 2327,1713 710,1714 513,1726 606,1732 3477,1739 840,1745 2919,1752 218,1755 2816,1756 306,1762 3652,1767 550,1768 1046,1768 1149,1768 677,1771 41,1776 3079,1779 2354,1780 3578,1781 2174,1784 2263,1785 763,1789 472,1791 2618,1792 3134,1792 2545,1796 2872,1803 3318,1806 932,1807 3487,1811 3220,1814 3419,1814 2695,1816 2770,1816 3014,1827 547,1838 791,1838 1114,1840 700,1846 878,1846 616,1850 975,1851 68,1854 1178,1854 464,1855 3465,1860 3160,1864 3067,1865 3275,1868 3003,1875 3590,1880 2918,1883 3434,1896 2678,1902 87,1909 1332,1913 2534,1914 2413,1924 2254,1925 2352,1925 3396,1932 2625,1933 1702,1949 1192,1962 615,1963 109,1965 684,1967 474,1976 561,1977 3034,1979 2567,1982 3199,1983 2771,1987 1329,1988 2328,1988 2414,1988 3526,1988 3362,1989 2241,1992 2886,1997 1643,2002 2953,2004 3133,2004 3234,2008 1551,2009 1700,2010 622,2018 3069,2018 930,2022 1070,2022 564,2036 797,2036 501,2039 425,2044 1140,2045 1330,2047 3191,2047 1546,2054 179,2056 876,2057 3104,2062 3450,2063 2824,2067 2907,2084 1183,2090 2628,2096 240,2108 895,2110 831,2116 3377,2120 1641,2122 1705,2123 1537,2124 2847,2124 2255,2125 558,2127 644,2127 1447,2127 2003,2127 2547,2132 423,2133 2452,2136 2331,2137 321,2140 2157,2140 473,2147 1897,2156 533,2166 869,2171 665,2176 375,2190 1336,2190 2854,2190 3287,2191 590,2199 1726,2199 2200,2200 1660,2202 2506,2204 2286,2205 2397,2205 457,2208 1409,2208 1947,2211 1519,2219 868,2224 532,2225 1842,2238 608,2239 687,2246 1669,2277 1736,2290 2042,2290 2153,2296 2396,2297 1405,2298 2304,2300 1321,2301 2230,2303 2492,2303 1959,2308 1171,2325 1833,2337 1516,2354 1441,2355 2042,2364 2359,2367 2519,2368 1734,2376 1164,2378 2229,2383 2441,2387 2157,2398 1313,2399 2292,2403 1947,2409 1841,2413 1656,2417 1393,2421 1476,2426 2048,2437 2499,2445 2217,2450 2307,2464 1736,2470 2409,2473 1175,2484 2146,2484 1524,2493 1664,2493 1838,2499 1939,2499 1321,2505 2052,2515 2247,2527 1444,2533 2535,2533 2464,2536 1364,2542 2316,2544 2396,2548 1731,2556 2159,2558 1176,2565 1660,2572 1953,2578 1849,2585 2049,2593 1501,2594 2218,2595 2460,2606 2527,2609 1409,2611 2300,2619 1309,2627 2393,2636 1182,2637 1367,2673 2433,2679 2490,2680 2326,2685 2271,2697 2538,2705 2355,2721 1178,2724 2421,2734 1245,2735 1848,2738 1935,2740 2137,2740 2056,2742 2504,2742 1733,2744 2238,2749
LED1: R28.1 U1.25 | length 1332.6
  Top Layer w10: R28.1 448.5,1928 1242,1928 1394.73,1775.27 U1.25
LED2: R27.1 U1.26 | length 1311.1
  Top Layer w10: R27.1 1234.54,1910 1388.96,1755.58 U1.26
LED3: R29.1 U1.27 | length 1334.8
  Top Layer w10: R29.1@390.5,1839 443.5,1892 1227.09,1892 1383.19,1735.9 U1.27
MOS: P4.5 U1.17 | length 857.6
  Top Layer w10: P4.5 1797,2203 1834.53,2165.47 U1.17
NetC5_2: C5.2 C6.2 L1.2 U1.9 | length 399.4
  Top Layer w10: U1.9 2029.21,1716.21 2054,1741 L1.2
  Top Layer w30: C5.2 C6.2 L1.2
NetC10_2: C10.2 R5.1 | length 59.4
  Top Layer w20: C10.2 322,575.5 R5.1
NetC18_2: C18.2 U3.4 | length 76.5
  Top Layer w25: U3.4 C18.2
NetD1_2: D1.2 R9.2 | length 68.5
  Top Layer w50: D1.2 R9.2
NetD2_2: D2.2 R27.2 | length 75.9
  Top Layer w50: D2.2 325.5,1909 R27.2
NetD3_2: D3.2 R28.2 | length 76.3
  Top Layer w50: D3.2 325.5,1982 R28.2
NetD4_2: D4.2 R29.2 | length 73.5
  Top Layer w50: D4.2 R29.2
NetL2_2: L2.2 R5.2 U2.1 U2.2 | length 288.4
  Top Layer w50: L2.2 388.3,499.3 U2.1 ; R5.2 438,509.5 U2.2
NetR6_1: R6.1 U2.7 | length 101.4
  Top Layer w25: R6.1 438.3,830.2 U2.7
NetR7_1: R7.1 R13.2 U2.6 | length 166.6
  Top Layer w20: U2.6 488.3,817.8 R7.1 560,829.5 R13.2
NetR10_2: R10.2 U2.4 | length 88.6
  Top Layer w20: R10.2 538.3,428.8 U2.4
NetR11_2: R11.2 U3.3 | length 72.1
  Top Layer w25: U3.3 265.7,1122.8 R11.2
OIL-ADC: U1.13 U5.2 | length 1126.6
  Top Layer w10: v1@1882,1734.73 v1(1882,1729) 1913.27,1760.27 U1.13
  Bottom Layer w10: 1507.5,1354.5 v1(1882,1729)
  Bottom Layer w20: U5.2 1108.57,1348 1501,1348 1507.5,1354.5
OSCIN: C7.1 R1.2 U1.5 Y1.2 | length 351.4
  Top Layer w10: U1.5 2103.03,1637.47 R1.2
  Top Layer w30: C7.1 R1.2 2180.5,1617.5 Y1.2
OSCOUT: C8.1 R1.1 U1.6 Y1.1 | length 352.8
  Top Layer w10: U1.6 2097.66,1657.16 R1.1
  Top Layer w30: C8.1 R1.1 2184.89,1682.5 Y1.1
PITCH-ADC: U1.12 U6.2 | length 1662.2
  Top Layer w10: U1.12 v1(1971.34,1859.66)
  Bottom Layer w20: v1(1971.34,1859.66) 1972.68,1861 2897.57,1861 3351.69,1406.88 U6.2
REST: C9.2 P1.1 R2.2 U1.7 | length 1293.2
  Top Layer w10: v1(1907.84,1676.84) U1.7 2021.84,1676.84 2092,1747 2092,1910.5 R2.2
  Top Layer w30: R2.2 C9.2
  Bottom Layer w10: v1(1236,1298) 1529,1298 v1(1907.84,1676.84)
ROLL-ADC: U1.11 U6.5 | length 1506.4
  Top Layer w10: U1.11 2015.58,1755.58 2026,1766 v1(2026,1818)
  Bottom Layer w20: v1(2026,1818) 2369,1818 2966.75,1220.25 U6.5
RST: U1.33 U4.1 | length 205.4
  Top Layer w10: v1(1576,1636) 1594.21,1617.79 U1.33
  Bottom Layer w10: U4.1 1462,1636 v1(1576,1636)
RXD: U1.30 U4.4 | length 360.5
  Top Layer w10: v1(1554.16,1676.84) U1.30
  Bottom Layer w10: U4.4 1526.78,1857.22 1554.16,1829.84 v1(1554.16,1676.84) v1@1551,1680
S1: C20.1 ESD1.2 K1.1 R14.1 U1.19 | length 1289
  Top Layer w10: ESD1.2 1250.06,2132.06 1274,2156 1783,2156 1812,2127 1812,1905 1795.16,1888.16 U1.19
  Top Layer w30: K1.1 964.17,2181 C20.1 ; ESD1.2 1096,2180.5 C20.1 ; R14.1 C20.1
S2: C21.1 ESD2.2 K2.1 R15.1 U1.22 | length 1807.5
  Top Layer w10: U1.22 v1(1736.1,2087) ; v1(1972.43,2086.57) 2554.57,2086.57 2715,2247 2894,2247 K2.1
  Top Layer w30: K2.1 3070.5,2187 R15.1@3081.5,2176 ; C21.1 R15.1@3081.5,2176 ; ESD2.2 3081.5,2123.44 R15.1@3081.5,2176
  Bottom Layer w10: v1@1736.1,2086.57 v1(1972.43,2086.57)
S3: C22.1 ESD3.2 K3.3 R16.1 U1.39 | length 387.5
  Top Layer w10: ESD3.2 1640,1362 1736.1,1458.1 U1.39
  Top Layer w35: K3.3 ESD3.2@1619,1360.06
S4: C23.1 ESD4.2 K4.3 R20.1 U1.46 | length 793.4
  Top Layer w10: U1.46 1873.9,1428.56 1896,1406.46 1896,1365 2019,1242 2321.34,1242 C23.1@2321.5,1242
  Top Layer w20: ESD4.2 2321.34,1351.66 2321.34,1242 K4.3
S5: C24.1 ESD5.2 K5.3 R21.1 U1.41 | length 1741.8
  Top Layer w10: ESD5.2 1135,570.94 1135,1009 1165,1039 1635,1039 1740,1144 1740,1404 1775.47,1439.47 U1.41
  Top Layer w30: C24.1 1022.5,570 R21.1 ; K5.3 1022.5,480.67 R21.1 ; ESD5.2 1077.94,514 R21.1
S6: C25.1 ESD6.2 K6.3 R22.1 U1.40 | length 1261.9
  Top Layer w10: ESD6.2 1092,1057 1616,1057 1717,1158 1717,1413.54 1755.79,1452.33 U1.40
  Top Layer w30: K6.3 1046.5,840.67 R22.1 1046.5,1010.5 ESD6.2
S7: C26.1 ESD7.2 K7.3 R23.1 U1.45 | length 1625.8
  Top Layer w10: U1.45 1854.21,1422.79 1878,1399 1878,1178 1923,1133
  Top Layer w20: 1923,1133 2540,1133 ESD7.2 ; ESD7.2@2848.34,827.34 K7.3 K7.3@3025.96,827
S8: C28.1 ESD9.2 K9.3 R25.1 U1.42 | length 2795.4
  Top Layer w10: v1(1764,1012) 1764,1398 1795.16,1429.16 U1.42
  Top Layer w20: v1(2667,189) 3115.66,189 K9.3 3249.16,55.5 R25.1 C28.1 3415.5,55.5 ESD9.2
  Bottom Layer w20: v1(1764,1012) 2263,1012 2667,608 v1(2667,189)
S9: C29.1 ESD10.2 K10.3 R26.1 U1.43 | length 1786.9
  Top Layer w10: U1.43 1814.84,1421.84 1788,1395 1788,1161 1857,1092
  Top Layer w20: 1857,1092 2455,1092 2548,999 2548,645.5 C29.1 ; ESD10.2 C29.1 ; K10.3 2728.84,606.5 C29.1
S10: C27.1 ESD8.2 K8.3 R24.1 U1.28 | length 3762.9
  Top Layer w10: U1.28 v1(1769.21,1716.21) ; ESD8.2 v1(3328,980)
  Top Layer w20: K8.3 3327.83,817.83 ESD8.2
  Bottom Layer w10: v1(1769.21,1716.21) 1912,1859 1912,1973 2046,2107 2046,2220 2078.74,2252.74 3162.79,2252.74 3530,1885.52 3530,1182 v1(3328,980)
SWCLK: P1.2 U1.37 | length 503.3
  Top Layer w10: v1(1236,1398) 1594.07,1398 U1.37
SWDIO: P1.4 U1.34 | length 402.7
  Top Layer w10: v1(1236,1598) 1236.1,1598.1 U1.34
TXD: U1.31 U4.5 | length 469.7
  Top Layer w10: U1.31 1675.16,1657.16 v1(1693,1675)
  Bottom Layer w10: U4.5 1524.04,1935.96 1693,1767 v1(1693,1675)
VCC: C12.2 L2.1 P3.2 R8.2 R10.1 U2.3 | length 1036.9
  Top Layer w20: U2.3 488.3,443.8 R10.1 467.5,339.5 P3.2
  Top Layer w35: R8.2 126.69,145.81 L2.1@240,145.81 ; C12.2 234,139.81 L2.1@240,145.81 ; P3.2 564.81,145.81 L2.1 L2.1@240,145.81
pads on no net: K1.0 K2.0 K3.2 K3.4 K4.2 K4.4 K5.2 K5.4 K6.2 K6.4 K7.2 K7.4 K8.2 K8.4 K9.2 K9.4 K10.2 K10.4 P3.0 P3.3 P4.1 U1.2 U1.3 U1.4 U1.10 U1.18 U1.21 U5.0 U6.0

## Polygon pours and split planes (outlines as drawn)
GND on Bottom Layer "Top Layer-No Net" (solid, remove dead copper, pour order 24): -466,2432 69,2967 639,2967 3441,2967 3737,2671 3925,2483 3925,1320 3925,-240 3745,-420 3571,-594 2777,-594 -170,-594 -459,-305
GND on Top Layer "Top Layer-No Net" (solid, remove dead copper, pour order 26): -365,2541 227,3133 885,3133 3354,3133 3636,2851 3882,2605 3882,-442 3882,-514 3636,-760 3586,-810 2596,-810 97,-810 -343,-370

## Keep-outs
Keep-Out Layer:
  lines w10: 895,-26 ccw(c887.5,246.5) 1160,254 ; 901,-26 243,-26 cw(c238,243) -31,238 -31,1660 cw(c598,1645) 613,2274 1124,2274 1124,2723 cw(c1176,2723) 1176,2775 2532,2775 cw(c2531,2732) 2574,2731 2574,2275 ; 1160,225 1160,628 cw(c1849,-47) 2524,642 2524,221 ccw(c2796.5,248.5) 2824,-24 3479,-24 ; 2574,2274 3122,2274 cw(c3096,1660) 3710,1634 3710,227 ; 3460,-24 ccw(c3452,234) 3710,242

## Silkscreen, mask and mechanical layers (free items; w line width, h text height)
Top Overlay:
  text "航向左转" at 405,2153 h80
  text "航向右转" at 2376,2147 h80
  text "失控指示" at 434,1960 h60
  text "飞机低电" at 431,1890 h60
  text "姿态" at 2835,1835 h200
  text "油门" at 704,1821 h200
  text "手柄低电" at 432,1815 h60
  text "解锁" at 2254,849 h150
  text "上锁" at 1152,840 h150
  text "自定义1" at 589,734 h60
  text "自定义2" at 576,488 h60
  text "微调" at 2969,418 h150
  text "OFF" at 420,216 h60
  text "ON" at 437,117 h60
  text "GND" at 872,14 h60
  text "VCC" at 749,13 h60
Bottom Overlay:
  text "Bilibili:小小的技术宅" at 2375,2404 h100
  text "3.3V /  / SWD /  / GND /  / CLK /  / RST" at 1177,1353 h40
Mechanical 1:
  lines w10: -31.24,236.24 -31.24,1639.99 cw(c600.08,1645.08) 610.02,2276.34 ; -30,235 ccw(c237.5,242.5) 245,-25 900,-25 ccw(c892.5,242.5) 1160,250 1160,630 cw(c1850,-45) 2525,645 2525,235 ccw(c2792.5,242.5) 2800,-25 3450,-25 ccw(c3442.5,242.5) 3710,250 3710,1632.39 ; 575.16,2275.16 1124,2275.16 ; 1124,2274 1124,2733 cw(c1169,2730) 1172,2775 2534,2775 ; 2532,2775 cw(c2529,2730) 2574,2727 2574,2277 2575.84,2275.16 3100,2275.16 ; 3075,2275 cw(c3080.09,1643.68) 3711.35,1633.74
Drill Drawing:
  text "'.Legend'" at 3982,1329 h60

## Text inside footprints (layer, text, board x,y; h text height)
U5: Top Overlay "0" at 932.9,1280.5 h50; Top Overlay "R" at 937.7,1386.6 h50; Top Overlay "10K" at 929.2,1493.9 h50
U6: Top Overlay "10K" at 3232.2,1501.66 h50; Top Overlay "R" at 3240.7,1394.36 h50; Top Overlay "0" at 3235.9,1288.26 h50; Top Overlay "0" at 2868.65,1133.18 h50; Top Overlay "R" at 2957.75,1135.28 h50; Top Overlay "10K" at 3034.25,1134.28 h50